# KiCad board V1.1_version_control_final.kicad_pcb (continued)
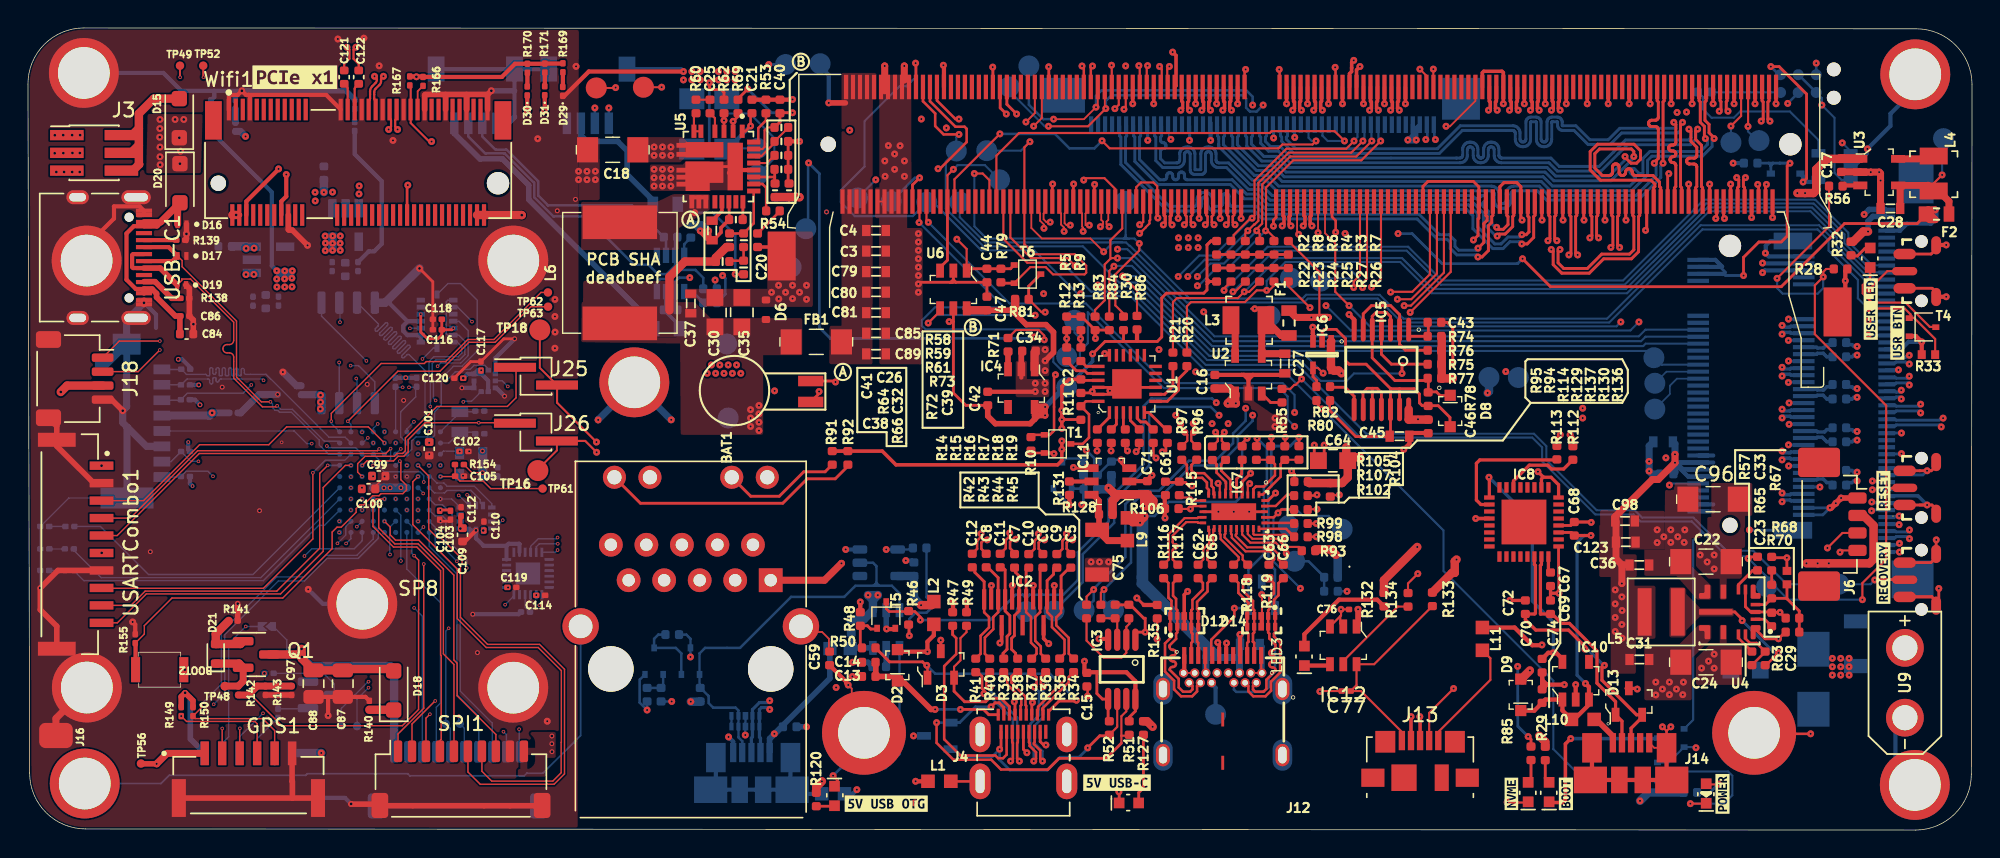
[diagram p0: board, top side]
## Routing (per net, layer and track width the routed paths; a pad name or vN(x,y) marks a point on that pad's centre or on a via; arc(x,y) is an arc through that point) (continued)
VCC_24V: length 4.5
  Top w0.5: Q1.2 15.39,10.65 R142.1 14.09,10.31
  Top w0.6: Q1.2 15.09,11.92 D21.1 ; 14.09,10.31 TP48.1
VDD_MOD: length 4
  Top w0.4: v1(57.26,52.04) 58.45,52.04
  Bottom w0.3: v1(57.26,52.04) 57.26,54.04 56.68,54.62
VIN: length 88.3
  Top w0.4: 17.34,12.58 17.5,12.58 17.52,12.57
  Top w0.6: v2(19.57,12.97) 19.57,12.63 ; 19.57,12.63 19.5,12.57 Q1.3 ; 19.57,12.63 19.57,12.35 ; D18.2 26.02,11.52 22.6,11.52 C87.1 C88.1 19.58,12.27 v2(19.58,12.39)
  In1.Cu w0.6: v2(19.57,12.97) 19.58,12.95 v2(19.58,12.39) 20.23,11.74 30.24,11.74 32.75,14.25 32.75,17.6 38.46,23.31 38.46,36.49 38.48,36.51 38.48,37.05 38.46,37.07 38.46,37.64 38.8,37.98 44.84,37.98 46.72,39.86 46.72,50.44 v1(49.97,53.69)
  Bottom w0.6: DSHOT1.10 26.18,5.62 26.18,11.45 25.89,11.74 20.23,11.74 v2(19.58,12.39)
  vias: v1(48.57,32.69) v1(48.87,33.29) v1(49.17,32.69) v1(49.37,54.29) v1(49.37,53.69) v1(49.47,33.29) v1(49.77,32.69) v1(49.97,54.29) v1(50.07,33.29) v1(50.37,32.69) v1(50.57,54.29) v1(50.57,53.69) v1(50.67,33.29) v1(50.97,32.69) v1(129.02,12.29) v1(129.02,11.69) v1(129.02,11.09) v1(129.62,12.29) v1(129.62,11.69) v1(129.62,11.09) v1(130.22,12.29) v1(130.22,11.69) v1(130.22,11.09)
#PWR_BUTTON: length 4.6
  Top w0.2: M1.240 63.25,46.18 v1(63.75,46.68)
  Bottom w0.18: TP13.1 63.41,46.68 v1(63.75,46.68)
#RECOVERY: length 78
  Top w0.15: M1.214 69.75,42.31 71.45,40.61 73.95,40.61 v1(74.17,40.39)
  Top w0.2: 134.19,17.93 132.08,17.93 v1(132.06,17.9)
  Bottom w0.15: 74.25,40.31 76.02,38.54 78.97,38.54 84.22,33.29 90.77,33.29 95.69,28.37 107.68,28.37 108.57,27.48 108.57,26.49 112.17,22.89 114.89,22.89 115.41,22.37 119.08,22.37 121.46,19.99 123.36,19.99 125.76,17.6 TP21.1 131.75,17.6 v1(132.06,17.9)
#RESET: length 168.6
  Top w0.15: v1(91.07,32.29) 90.64,31.86 90.55,31.86 90.26,31.57 R55.2 ; R71.2 70.65,35.79 72.27,35.79 72.67,35.39 v1(72.67,35.09) ; RST1.2 133.27,24.49 132.87,24.09 132.87,23.89 ; v1(125.07,39.49) 128.78,43.2 R56.2 ; 132.87,23.89 132.87,30.39 127.77,35.49 127.77,38.99 v1(128.37,39.59) 128.37,39.95 128.58,40.16 129.12,40.16 ; 132.87,23.89 132.87,19.38 131.17,17.68 v1(131.17,16.49)
  Top w0.2: v1(123,19.44) 122.95,19.55 123.58,19.55 ; M1.239 63.5,54.86 v1(63.47,54.89)
  In3_SIGNAL.Cu w0.15: v1(72.67,35.09) 75.27,37.69 v1(75.27,38.39)
  Bottom w0.15: 119.62,21.29 119.77,21.29 119.79,21.26 ; 119.62,21.29 119.54,21.21 ; 119.62,21.29 119.62,21.44 ; 64.72,44.94 TP10.1 63.27,43.94 59.12,43.94 58.12,44.94 58.12,45.79 59.82,47.49 59.82,50.74 62.32,53.24 62.82,53.24 63.47,53.89 v1(63.47,54.89) ; 64.72,44.94 64.67,44.99 ; 64.72,44.94 68.17,41.49 71.95,41.49 75.05,38.39 v1(75.27,38.39) 75.44,38.22 78.84,38.22 84.12,32.94 90.42,32.94 v1(91.07,32.29) 95.27,28.09 107.57,28.09 108.27,27.39 108.27,26.39 112.07,22.59 114.8,22.59 115.3,22.09 118.97,22.09 119.62,21.44 ; 119.54,21.21 119.07,20.74 119.07,7.89 T2.1 ; 119.54,21.21 119.69,21.36 ; v1(125.07,39.49) 125.07,38.79 125.47,38.39 127.97,38.39 128.37,38.79 v1(128.37,39.59) ; v1(131.17,16.49) 125.87,16.49 124.94,17.42 TP20.1 124.32,18.14 122.97,19.49 v1(123,19.44) 122.78,19.59 121.47,19.59 119.79,21.26 ; 119.79,21.26 119.69,21.36 ; 119.62,21.44 119.69,21.36
#SHUTDOWN_REQ: length 66
  Top w0.18: M1.233 65,52.21 66.32,50.89 v1(66.57,50.89)
  Top w0.2: 98.25,33.35 100.13,33.35 ; 98.25,33.35 97.48,33.35 96.78,34.05 IC5.4 ; 98.25,33.35 v1(98.25,32.68)
  In2.Cu w0.15: 70.17,45.99 70.17,45.79 ; 70.17,45.99 70.14,45.96 70.04,45.96 ; 70.17,45.99 70.17,46.14 ; 70.17,45.79 70.17,45.82 70.04,45.96 ; 70.17,45.79 70.17,40.89 72.62,38.44 v1(72.62,38.39) ; 70.17,46.14 70.17,47.69 66.97,50.89 v1(66.57,50.89) ; 70.17,46.14 70.17,46.09 70.04,45.96 ; 70.04,45.96 61.2,45.96 v1(60.62,46.54)
  In3_SIGNAL.Cu w0.15: v1(76.51,39.01) 74.84,39.01 73.54,37.71 73.3,37.71 v1(72.62,38.39)
  Bottom w0.15: v1(76.51,39.01) 76.63,38.89 79.07,38.89 84.32,33.64 90.94,33.64 92.43,32.15 94.29,32.15 94.82,32.68 v1(98.25,32.68) ; v1(60.62,46.54) TP11.1
/CSI/CAM0_SCL: length 35.4
  Top w0.15: 87.04,42.15 87.04,42.71 v1(87.23,42.89) 87.23,42.9 87.68,43.34 87.71,43.34 87.98,43.61 87.98,46.32 90.14,48.49 94.62,48.49 95.46,49.32 v1(95.46,49.32) ; v1(77.44,27.14) 77.46,27.16 77.46,27.71
  In5_3V3_SYS_SIGNAL.Cu w0.15: v1(77.44,27.14) 77.44,28.02 78.57,29.14 78.57,35.17 82.93,39.54 v1(82.93,39.62)
  Bottom w0.15: v1(87.23,42.89) 85.16,40.82 84.14,40.82 v1(82.93,39.62) ; 95.56,50.4 95.56,49.45 95.46,49.35
/CSI/CAM0_SDA: length 37
  Top w0.15: v1(94.82,49.32) 94.26,48.76 89.98,48.76 87.7,46.48 87.7,43.97 v1(87.53,43.79) 87.42,43.79 86.21,42.59 86.21,42.35 86.02,42.15 ; v1(76.44,27.14) 76.46,27.16 76.46,27.71
  In5_3V3_SYS_SIGNAL.Cu w0.15: v1(82.25,39.62) 82.25,39.41 78.11,35.27 78.11,29.29 76.44,27.63 v1(76.44,27.14)
  Bottom w0.15: v1(87.53,43.79) 87.49,43.79 84.81,41.12 83.75,41.12 v1(82.25,39.62) ; 94.82,49.35 94.82,49.36 95.06,49.6 95.06,50.4
/CSI/CAM1_SCL: length 35.8
  Top w0.15: 89.1,42.15 89.1,42.42 88.62,42.89 v1(88.5,42.89) 88.53,42.92 88.53,45.99 90.47,47.94 95.34,47.94 96.73,49.32 v1(96.73,49.32) ; 79.46,27.71 79.46,27.31 v1(79.24,27.08)
  In5_3V3_SYS_SIGNAL.Cu w0.15: v1(83.62,38.96) 79.68,35.02 79.68,28.8 79.24,28.36 v1(79.24,27.08)
  Bottom w0.15: v1(88.5,42.89) 88.5,42.89 85.88,40.27 85.02,40.27 83.7,38.96 v1(83.62,38.96) ; 96.71,49.31 96.56,49.46 96.56,50.4
/CSI/CAM1_SDA: length 35.3
  Top w0.15: 88.07,42.15 88.07,42.68 87.86,42.89 v1(87.86,42.89) 87.86,43.02 88.25,43.41 88.25,46.21 90.26,48.21 94.98,48.21 96.09,49.32 v1(96.09,49.32) ; v1(78.62,27.14) 78.46,27.29 78.46,27.71
  In5_3V3_SYS_SIGNAL.Cu w0.15: v1(78.62,27.14) 78.62,28.37 79.27,29.02 79.27,35.27 v1(83.62,39.62)
  Bottom w0.15: v1(87.86,42.89) 87.86,42.89 85.52,40.55 84.55,40.55 83.62,39.62 v1(83.62,39.62) ; 96.06,50.4 96.06,49.35 96.09,49.32
/CSI/CAM2_SCL: length 69.3
  Top w0.15: v1(85.53,38.63) 85.53,38.77 86.02,39.26
  Top w0.2: v1(81.11,27.07) 81.3,27.07 81.37,27.14 81.37,27.71
  In5_3V3_SYS_SIGNAL.Cu w0.15: v1(81.11,27.07) 81.22,27.19 81.22,32.89 85.53,37.2 v1(85.53,38.63)
  Bottom w0.15: v1(85.53,38.63) 88.64,41.75 98.69,41.75 101.1,39.34 114.06,39.34 119.13,44.41 119.84,45.12 127.8,45.12 130.16,42.75 130.16,42.11 131.86,40.42 132.77,40.42
/CSI/CAM2_SDA: length 70.9
  Top w0.15: 87.05,39.26 86.31,38.53 v1(86.16,38.53)
  Top w0.2: v1(80.66,26.63) 80.46,26.83 80.46,27.71
  In5_3V3_SYS_SIGNAL.Cu w0.15: v1(86.16,38.53) 86.16,37.33 81.62,32.79 81.62,26.64 81.42,26.44 80.85,26.44 v1(80.66,26.63)
  Bottom w0.15: 132.77,39.92 131.97,39.92 129.89,42 129.89,42.64 127.69,44.84 119.98,44.84 119.91,44.76 119.91,44.76 114.18,39.03 101.02,39.03 98.58,41.47 89.11,41.47 v1(86.16,38.53)
/CSI/CAM3_SCL: length 63.1
  Top w0.15: 88.07,39.26 87.33,38.53 v1(86.97,38.53) 86.52,38.08 82.16,38.08 81.87,37.79 R21.1
  Bottom w0.15: 132.77,39.42 132.08,39.42 129.61,41.89 129.61,42.53 127.57,44.57 120.1,44.57 114.26,38.73 100.46,38.73 98.25,40.94 89.39,40.94 v1(86.97,38.53)
/CSI/CAM3_SDA: length 62.5
  Top w0.15: 89.1,39.26 89.1,38.97 88.75,38.63 v1(88.57,38.63) 87.86,38.63 87.03,37.79 83.17,37.79 82.87,37.49 R20.1
  Bottom w0.15: v1(88.57,38.63) 88.57,39.31 89.92,40.66 98.12,40.66 100.36,38.42 114.35,38.42 120.21,44.29 127.46,44.29 129.34,42.41 129.34,41.77 132.21,38.9 J2.39 ; 132.77,38.92 132.21,38.92
/CSI/CAM_I2C_SCL: length 22.9
  Top w0.2: v1(70.69,51.25) 70,51.95 70,53.18 ; R9.2 75.29,35.2 v1(75.26,35.17) 75.29,35.15 R13.2
  In2.Cu w0.15: v1(70.69,51.25) 70.89,51.05 70.89,41.47 73.57,38.79 73.57,36.87 v1(75.26,35.17)
  Bottom w0.15: v1(75.26,35.17) 74.83,35.6 74.83,36.48
/CSI/CAM_I2C_SDA: length 22.5
  Top w0.2: 69.5,53.18 69.52,53.16 69.52,51.69 v1(69.95,51.25) ; R12.2 v1(74.27,35.17) R5.2
  In2.Cu w0.15: v1(74.27,35.17) 73.17,36.28 73.17,38.69 70.51,41.35 70.51,50.69 v1(69.95,51.25)
  Bottom w0.15: v1(74.27,35.17) 74.27,33.89 TP6.1
/CSI/CSI_A_CLK_N: length 43.3
  Top w0.21: M1.10 122.75,45.97 122.66,46.06 122.66,46.55 v1(122.81,46.7)
  In3_SIGNAL.Cu w0.138: 134.4,33.36 134.22,33.54 133.96,33.54 133.41,34.09 133.41,42.51 132.59,43.32 130.2,43.32 130.11,43.33 130.03,43.36 129.96,43.4 129.9,43.46 129.86,43.54 129.83,43.62 129.82,43.7 129.82,43.86 129.82,43.89 129.81,43.92 129.79,43.95 129.77,43.97 129.74,43.99 129.71,44 129.68,44 129.65,44 129.62,43.99 129.6,43.97 129.57,43.95 129.56,43.92 129.55,43.89 129.54,43.86 129.54,42.62 129.53,42.54 129.51,42.46 129.46,42.38 129.4,42.32 129.33,42.28 129.25,42.25 129.17,42.24 129.12,42.24 129.04,42.25 128.96,42.28 128.88,42.32 128.82,42.38 128.78,42.46 128.75,42.54 128.74,42.62 128.74,43.86 128.74,43.89 128.73,43.92 128.71,43.95 128.69,43.97 128.66,43.99 128.63,44 128.6,44 128.57,44 128.54,43.99 128.52,43.97 128.5,43.95 128.48,43.92 128.47,43.89 128.47,43.86 128.47,42.62 128.46,42.54 128.43,42.46 128.38,42.38 128.32,42.32 128.25,42.28 128.17,42.25 128.09,42.24 128.04,42.24 127.96,42.25 127.88,42.28 127.81,42.32 127.75,42.38 127.7,42.46 127.67,42.54 127.66,42.62 127.66,44.06 127.66,44.09 127.65,44.12 127.63,44.15 127.61,44.17 127.59,44.19 127.56,44.2 127.53,44.2 127.5,44.2 127.47,44.19 127.44,44.17 127.42,44.15 127.4,44.12 127.39,44.09 127.39,44.06 127.39,42.62 127.38,42.54 127.35,42.46 127.31,42.38 127.25,42.32 127.17,42.28 127.09,42.25 127.01,42.24 126.96,42.24 126.88,42.25 126.8,42.28 126.73,42.32 126.67,42.38 126.62,42.46 126.6,42.54 126.59,42.62 126.59,43.18 126.58,43.21 126.57,43.24 126.56,43.27 126.53,43.29 126.51,43.31 126.48,43.32 126.45,43.32 126.24,43.12 126.24,42.87 126.04,42.67 126.03,42.64 126.01,42.62 126.01,42.59 126.01,42.56 126.01,42.53 126.03,42.5 126.04,42.47 126.1,42.42 126.12,42.4 126.13,42.37 126.14,42.34 126.14,42.31 126.13,42.28 126.12,42.25 126.1,42.22 126.07,42.21 126.05,42.19 126.02,42.18 125.99,42.18 125.96,42.19 125.93,42.21 125.9,42.22 125.85,42.28 125.83,42.3 125.8,42.31 125.77,42.32 125.74,42.32 125.71,42.31 125.68,42.3 125.65,42.28 125.26,42.28 124.83,42.71 124.83,43.21 125.39,43.78 125.39,45.36 125.8,45.77 125.8,46.88 125.21,47.47 124.42,47.47 124.33,47.48 124.24,47.51 124.17,47.55 124.1,47.62 124.05,47.7 124.02,47.78 124.01,47.87 124.01,48.5 124.01,48.54 124,48.57 123.98,48.6 123.95,48.63 123.92,48.65 123.88,48.66 123.85,48.67 123.81,48.66 123.77,48.65 123.74,48.63 123.71,48.6 123.69,48.57 123.68,48.54 123.68,48.5 123.68,47.87 123.67,47.78 123.64,47.7 123.59,47.62 123.52,47.55 123.45,47.51 123.36,47.48 123.27,47.47 122.96,47.47 122.63,47.13 122.63,46.88 v1(122.81,46.7)
  Bottom w0.21: 132.77,33.42 133.5,33.42 133.59,33.5 134.26,33.5 134.4,33.36
  vias: v1(134.52,33.36)
/CSI/CSI_A_CLK_P: length 43.3
  Top w0.21: M1.12 122.25,45.97 122.33,46.06 122.33,46.55 v1(122.18,46.7)
  In3_SIGNAL.Cu w0.138: 134.4,33.98 134.22,33.8 134.07,33.8 133.67,34.2 133.67,42.62 132.7,43.58 130.22,43.58 130.19,43.59 130.16,43.6 130.14,43.61 130.11,43.64 130.1,43.66 130.09,43.69 130.08,43.72 130.08,43.89 130.07,43.97 130.05,44.05 130,44.12 129.94,44.18 129.87,44.23 129.79,44.25 129.71,44.26 129.66,44.26 129.57,44.25 129.49,44.23 129.42,44.18 129.36,44.12 129.32,44.05 129.29,43.97 129.28,43.89 129.28,42.64 129.28,42.61 129.27,42.58 129.25,42.56 129.23,42.54 129.2,42.52 129.17,42.51 129.14,42.51 129.11,42.51 129.08,42.52 129.06,42.54 129.04,42.56 129.02,42.58 129.01,42.61 129.01,42.64 129.01,43.89 129,43.97 128.97,44.05 128.92,44.12 128.86,44.18 128.79,44.23 128.71,44.25 128.63,44.26 128.58,44.26 128.5,44.25 128.42,44.23 128.35,44.18 128.29,44.12 128.24,44.05 128.21,43.97 128.2,43.89 128.2,42.64 128.2,42.61 128.19,42.58 128.17,42.56 128.15,42.54 128.12,42.52 128.1,42.51 128.07,42.51 128.03,42.51 128.01,42.52 127.98,42.54 127.96,42.56 127.94,42.58 127.93,42.61 127.93,42.64 127.93,44.09 127.92,44.17 127.89,44.25 127.84,44.32 127.78,44.38 127.71,44.43 127.63,44.45 127.55,44.46 127.5,44.46 127.42,44.45 127.34,44.43 127.27,44.38 127.21,44.32 127.16,44.25 127.13,44.17 127.13,44.09 127.13,42.64 127.12,42.61 127.11,42.58 127.09,42.56 127.07,42.54 127.05,42.52 127.02,42.51 126.99,42.51 126.96,42.51 126.93,42.52 126.9,42.54 126.88,42.56 126.86,42.58 126.85,42.61 126.85,42.64 126.85,43.21 126.84,43.29 126.81,43.37 126.77,43.44 126.71,43.5 126.64,43.55 126.56,43.58 126.47,43.58 126.34,43.58 125.98,43.22 125.98,42.97 125.55,42.54 125.36,42.54 125.09,42.81 125.09,43.11 125.66,43.67 125.66,45.25 126.06,45.66 126.06,46.99 125.32,47.73 124.45,47.73 124.41,47.73 124.37,47.74 124.34,47.76 124.31,47.79 124.29,47.82 124.28,47.86 124.28,47.9 124.28,48.52 124.27,48.61 124.24,48.7 124.19,48.78 124.12,48.84 124.05,48.89 123.96,48.92 123.87,48.93 123.82,48.93 123.73,48.92 123.64,48.89 123.57,48.84 123.5,48.78 123.45,48.7 123.42,48.61 123.41,48.52 123.41,47.9 123.41,47.86 123.4,47.82 123.38,47.79 123.35,47.76 123.32,47.74 123.28,47.73 123.25,47.73 122.85,47.73 122.37,47.24 122.37,46.88 v1(122.18,46.7)
  Bottom w0.21: 132.77,33.92 133.5,33.92 133.59,33.84 134.26,33.84 134.4,33.98
  vias: v1(134.52,33.98)
/CSI/CSI_A_D0_N: length 43.5
  Top w0.21: M1.4 124.25,46.15 v1(124.31,46.21)
  In3_SIGNAL.Cu w0.138: v1(134.52,31.86) 134.34,32.04 133.43,32.04 132.77,32.7 132.77,38.7 132.76,38.72 132.76,38.74 132.75,38.75 132.73,38.77 132.71,38.78 132.69,38.79 132.67,38.79 132.52,38.79 132.45,38.8 132.37,38.82 132.31,38.86 132.26,38.92 132.22,38.98 132.19,39.05 132.19,39.12 132.19,39.32 132.19,39.39 132.22,39.46 132.26,39.53 132.31,39.58 132.37,39.62 132.45,39.64 132.52,39.65 132.67,39.65 132.69,39.65 132.71,39.66 132.73,39.67 132.75,39.69 132.76,39.71 132.76,39.72 132.77,39.75 132.77,40.5 132.18,41.09 132.07,41.09 131.99,41.1 131.91,41.13 131.84,41.17 131.78,41.23 131.73,41.3 131.7,41.38 131.7,41.47 131.7,41.98 131.69,42.02 131.68,42.04 131.66,42.07 131.64,42.09 131.62,42.11 131.59,42.12 131.56,42.12 131.53,42.12 131.5,42.11 131.47,42.09 131.45,42.07 131.43,42.04 131.42,42.02 131.42,41.98 131.42,40.34 131.41,40.25 131.38,40.17 131.34,40.1 131.28,40.04 131.21,40 131.13,39.97 131.04,39.96 130.99,39.96 130.91,39.97 130.83,40 130.76,40.04 130.7,40.1 130.65,40.17 130.63,40.25 130.62,40.34 130.62,42.08 130.61,42.12 130.6,42.14 130.59,42.17 130.57,42.19 130.54,42.21 130.51,42.22 130.48,42.22 130.45,42.22 130.42,42.21 130.39,42.19 130.37,42.17 130.35,42.14 130.34,42.12 130.34,42.08 130.34,40.34 130.33,40.25 130.3,40.17 130.26,40.1 130.2,40.04 130.13,40 130.05,39.97 129.96,39.96 129.92,39.96 129.83,39.97 129.75,40 129.68,40.04 129.62,40.1 129.58,40.17 129.55,40.25 129.54,40.34 129.54,41.58 129.54,41.6 129.53,41.62 129.52,41.64 129.5,41.65 129.49,41.66 129.47,41.67 129.45,41.67 129.36,41.67 129.34,41.67 129.32,41.66 129.3,41.65 129.28,41.64 129.27,41.62 129.27,41.6 129.26,41.58 129.26,40.34 129.25,40.25 129.23,40.17 129.18,40.1 129.12,40.04 129.05,40 128.97,39.97 128.89,39.96 128.84,39.96 128.75,39.97 128.67,40 128.6,40.04 128.54,40.1 128.5,40.17 128.47,40.25 128.46,40.34 128.46,41.58 128.46,41.6 128.45,41.62 128.44,41.64 128.43,41.65 128.41,41.66 128.39,41.67 128.37,41.67 128.28,41.67 128.26,41.67 128.24,41.66 128.22,41.65 128.21,41.64 128.19,41.62 128.19,41.6 128.19,41.58 128.19,40.34 128.18,40.25 128.15,40.17 128.1,40.1 128.04,40.04 127.97,40 127.89,39.97 127.81,39.96 127.76,39.96 127.68,39.97 127.6,40 127.53,40.04 127.47,40.1 127.42,40.17 127.39,40.25 127.38,40.34 127.38,40.95 127.38,40.98 127.37,41.01 127.35,41.04 127.33,41.06 127.3,41.08 127.28,41.09 127.25,41.09 126.77,41.09 126.74,41.09 126.7,41.08 126.68,41.06 126.65,41.03 126.63,41.01 126.62,40.97 126.62,40.94 126.62,40.9 126.62,40.87 126.6,40.84 126.59,40.81 126.56,40.79 126.53,40.77 126.5,40.76 126.47,40.75 126.44,40.76 126.4,40.77 126.38,40.79 126.35,40.81 126.33,40.84 126.32,40.87 126.32,40.9 126.32,40.94 126.32,40.97 126.3,41.01 126.29,41.03 126.26,41.06 126.23,41.08 126.2,41.09 126.17,41.09 125.24,41.09 123.85,42.49 123.85,44.56 125.08,45.79 125.08,46.35 124.85,46.57 124.2,46.57 124.13,46.5 124.13,46.39 v1(124.31,46.21)
  Bottom w0.21: 132.77,31.92 133.5,31.92 133.59,32 134.38,32 v1(134.52,31.86)
/CSI/CSI_A_D0_P: length 43.6
  Top w0.21: M1.6 123.75,46.15 v1(123.68,46.21)
  In3_SIGNAL.Cu w0.138: v1(134.52,32.48) 134.34,32.3 133.54,32.3 133.03,32.81 133.03,38.72 133.02,38.79 133,38.86 132.96,38.93 132.9,38.98 132.84,39.02 132.77,39.04 132.69,39.05 132.54,39.05 132.52,39.05 132.5,39.06 132.48,39.07 132.47,39.09 132.46,39.11 132.45,39.12 132.45,39.15 132.45,39.3 132.45,39.32 132.46,39.34 132.47,39.35 132.48,39.37 132.5,39.38 132.52,39.39 132.54,39.39 132.69,39.39 132.77,39.4 132.84,39.42 132.9,39.46 132.96,39.52 133,39.58 133.02,39.65 133.03,39.72 133.03,40.61 132.29,41.35 132.1,41.35 132.07,41.36 132.04,41.37 132.01,41.38 131.99,41.41 131.97,41.43 131.96,41.46 131.96,41.49 131.96,42.01 131.95,42.09 131.92,42.17 131.88,42.24 131.82,42.3 131.74,42.35 131.66,42.38 131.58,42.39 131.53,42.39 131.45,42.38 131.37,42.35 131.3,42.3 131.24,42.24 131.19,42.17 131.17,42.09 131.16,42.01 131.16,40.36 131.15,40.33 131.14,40.3 131.13,40.27 131.1,40.25 131.08,40.24 131.05,40.23 131.02,40.22 130.99,40.23 130.96,40.24 130.93,40.25 130.91,40.27 130.89,40.3 130.88,40.33 130.88,40.36 130.88,42.11 130.87,42.19 130.84,42.27 130.8,42.34 130.74,42.4 130.67,42.45 130.59,42.48 130.5,42.49 130.46,42.49 130.37,42.48 130.29,42.45 130.22,42.4 130.16,42.34 130.12,42.27 130.09,42.19 130.08,42.11 130.08,40.36 130.07,40.33 130.06,40.3 130.05,40.27 130.03,40.25 130,40.24 129.97,40.23 129.94,40.22 129.91,40.23 129.88,40.24 129.85,40.25 129.83,40.27 129.82,40.3 129.81,40.33 129.8,40.36 129.8,41.6 129.79,41.67 129.77,41.75 129.73,41.81 129.68,41.86 129.61,41.9 129.54,41.93 129.47,41.94 129.34,41.94 129.26,41.93 129.19,41.9 129.13,41.86 129.07,41.81 129.03,41.75 129.01,41.67 129,41.6 129,40.36 129,40.33 128.99,40.3 128.97,40.27 128.95,40.25 128.92,40.24 128.89,40.23 128.86,40.22 128.83,40.23 128.8,40.24 128.78,40.25 128.75,40.27 128.74,40.3 128.73,40.33 128.72,40.36 128.72,41.6 128.72,41.67 128.69,41.75 128.65,41.81 128.6,41.86 128.53,41.9 128.46,41.93 128.39,41.94 128.26,41.94 128.18,41.93 128.11,41.9 128.05,41.86 128,41.81 127.96,41.75 127.93,41.67 127.92,41.6 127.92,40.36 127.92,40.33 127.91,40.3 127.89,40.27 127.87,40.25 127.84,40.24 127.81,40.23 127.78,40.22 127.75,40.23 127.72,40.24 127.7,40.25 127.68,40.27 127.66,40.3 127.65,40.33 127.65,40.36 127.65,40.98 127.64,41.06 127.61,41.14 127.56,41.21 127.5,41.27 127.43,41.32 127.35,41.34 127.27,41.35 125.35,41.35 124.11,42.59 124.11,44.45 125.34,45.68 125.34,46.46 124.96,46.84 124.09,46.84 123.87,46.61 123.87,46.39 v1(123.68,46.21)
  Bottom w0.21: v1(134.52,32.48) 134.38,32.34 133.59,32.34 133.5,32.42 132.77,32.42
/CSI/CSI_A_D1_N: length 43.4
  Top w0.21: v1(121.31,43.77) 121.25,43.83 M1.16
  In3_SIGNAL.Cu w0.138: v1(121.31,43.77) 121.13,43.95 121.13,44.21 121.37,44.45 122.07,44.45 122.35,44.16 122.35,43.17 123.12,42.4 123.12,38.76 123.92,37.95 124.71,37.95 124.74,37.95 124.77,37.94 124.79,37.92 124.82,37.9 124.83,37.87 124.84,37.84 124.85,37.81 124.85,37.41 124.85,37.33 124.88,37.25 124.93,37.18 124.99,37.12 125.06,37.07 125.14,37.04 125.22,37.03 125.27,37.03 125.35,37.04 125.43,37.07 125.51,37.12 125.57,37.18 125.61,37.25 125.64,37.33 125.65,37.41 125.65,38.73 125.65,38.76 125.66,38.79 125.68,38.82 125.7,38.84 125.73,38.85 125.75,38.86 125.79,38.87 125.82,38.86 125.85,38.85 125.87,38.84 125.89,38.82 125.91,38.79 125.92,38.76 125.92,38.73 125.92,37.41 125.93,37.33 125.96,37.25 126.01,37.18 126.07,37.12 126.14,37.07 126.22,37.04 126.3,37.03 126.35,37.03 126.43,37.04 126.51,37.07 126.58,37.12 126.64,37.18 126.69,37.25 126.72,37.33 126.73,37.41 126.73,38.73 126.73,38.76 126.74,38.79 126.76,38.82 126.78,38.84 126.8,38.85 126.83,38.86 126.86,38.87 126.89,38.86 126.92,38.85 126.95,38.84 126.97,38.82 126.99,38.79 127,38.76 127,38.73 127,37.41 127.01,37.33 127.04,37.25 127.08,37.18 127.14,37.12 127.22,37.07 127.3,37.04 127.38,37.03 127.43,37.03 127.51,37.04 127.59,37.07 127.66,37.12 127.72,37.18 127.77,37.25 127.79,37.33 127.8,37.41 127.8,38.73 127.81,38.76 127.82,38.79 127.83,38.82 127.86,38.84 127.88,38.85 127.91,38.86 127.94,38.87 127.97,38.86 128,38.85 128.03,38.84 128.05,38.82 128.07,38.79 128.08,38.76 128.08,38.73 128.08,37.41 128.09,37.33 128.12,37.25 128.16,37.18 128.22,37.12 128.29,37.07 128.37,37.04 128.46,37.03 128.5,37.03 128.59,37.04 128.67,37.07 128.74,37.12 128.8,37.18 128.84,37.25 128.87,37.33 128.88,37.41 128.88,38.73 128.88,38.76 128.9,38.79 128.91,38.82 128.93,38.84 128.96,38.85 128.99,38.86 129.02,38.87 129.05,38.86 129.08,38.85 129.11,38.84 129.13,38.82 129.14,38.79 129.15,38.76 129.16,38.73 129.16,37.41 129.17,37.33 129.19,37.25 129.24,37.18 129.3,37.12 129.37,37.07 129.45,37.04 129.54,37.03 129.58,37.03 129.67,37.04 129.75,37.07 129.82,37.12 129.88,37.18 129.92,37.25 129.95,37.33 129.96,37.41 ; v1(133.95,30.86) 133.77,31.04 132.9,31.04 132.73,31.2 132.71,31.22 132.68,31.24 132.65,31.24 132.62,31.24 132.59,31.24 132.56,31.22 132.54,31.2 132.5,31.16 132.47,31.14 132.44,31.13 132.41,31.12 132.38,31.12 132.35,31.13 132.32,31.14 132.3,31.16 132.28,31.18 132.27,31.21 132.26,31.24 132.26,31.27 132.27,31.3 132.28,31.33 132.3,31.36 132.34,31.4 132.36,31.42 132.38,31.45 132.38,31.48 132.38,31.51 132.38,31.54 132.36,31.57 132.34,31.59 132.11,31.82 132.11,37.5 131.66,37.95 130.61,37.95 130.53,37.96 130.45,37.99 130.38,38.03 130.32,38.09 130.27,38.16 130.25,38.24 130.24,38.33 130.24,38.48 130.23,38.51 130.22,38.54 130.21,38.57 130.19,38.59 130.16,38.6 130.13,38.61 130.1,38.62 130.1,38.62 130.07,38.61 130.04,38.6 130.01,38.59 129.99,38.57 129.97,38.54 129.96,38.51 129.96,38.48 129.96,37.41
  Bottom w0.21: 132.77,30.92 133.5,30.92 133.59,31 133.81,31 v1(133.95,30.86)
/CSI/CSI_A_D1_P: length 43.4
  Top w0.21: v1(120.68,43.77) 120.75,43.83 M1.18
  In3_SIGNAL.Cu w0.138: v1(120.68,43.77) 120.87,43.95 120.87,44.32 121.26,44.71 122.18,44.71 122.61,44.27 122.61,43.28 123.38,42.51 123.38,38.87 124.03,38.21 124.73,38.21 124.81,38.2 124.89,38.18 124.97,38.13 125.03,38.07 125.07,38 125.1,37.92 125.11,37.84 125.11,37.43 125.11,37.4 125.12,37.38 125.14,37.35 125.16,37.33 125.19,37.31 125.22,37.3 125.25,37.3 125.28,37.3 125.31,37.31 125.33,37.33 125.35,37.35 125.37,37.38 125.38,37.4 125.38,37.43 125.38,38.75 125.39,38.84 125.42,38.92 125.47,38.99 125.53,39.05 125.6,39.09 125.68,39.12 125.76,39.13 125.81,39.13 125.89,39.12 125.97,39.09 126.04,39.05 126.1,38.99 126.15,38.92 126.18,38.84 126.19,38.75 126.19,37.43 126.19,37.4 126.2,37.38 126.22,37.35 126.24,37.33 126.26,37.31 126.29,37.3 126.32,37.3 126.36,37.3 126.38,37.31 126.41,37.33 126.43,37.35 126.45,37.38 126.46,37.4 126.46,37.43 126.46,38.75 126.47,38.84 126.5,38.92 126.54,38.99 126.6,39.05 126.68,39.09 126.76,39.12 126.84,39.13 126.89,39.13 126.97,39.12 127.05,39.09 127.12,39.05 127.18,38.99 127.23,38.92 127.25,38.84 127.26,38.75 127.26,37.43 127.27,37.4 127.28,37.38 127.29,37.35 127.32,37.33 127.34,37.31 127.37,37.3 127.4,37.3 127.43,37.3 127.46,37.31 127.49,37.33 127.51,37.35 127.53,37.38 127.54,37.4 127.54,37.43 127.54,38.75 127.55,38.84 127.58,38.92 127.62,38.99 127.68,39.05 127.75,39.09 127.83,39.12 127.92,39.13 127.96,39.13 128.05,39.12 128.13,39.09 128.2,39.05 128.26,38.99 128.31,38.92 128.33,38.84 128.34,38.75 128.34,37.43 128.35,37.4 128.36,37.38 128.37,37.35 128.39,37.33 128.42,37.31 128.45,37.3 128.48,37.3 128.51,37.3 128.54,37.31 128.57,37.33 128.59,37.35 128.6,37.38 128.61,37.4 128.62,37.43 128.62,38.75 128.63,38.84 128.66,38.92 128.7,38.99 128.76,39.05 128.83,39.09 128.91,39.12 129,39.13 129.04,39.13 129.13,39.12 129.21,39.09 129.28,39.05 129.34,38.99 129.38,38.92 129.41,38.84 129.42,38.75 129.42,37.43 129.42,37.4 129.43,37.38 129.45,37.35 129.47,37.33 129.5,37.31 129.53,37.3 129.56,37.3 129.59,37.3 129.62,37.31 129.64,37.33 129.67,37.35 129.68,37.38 129.69,37.4 129.7,37.43 129.7,38.5 129.71,38.59 129.74,38.67 129.78,38.74 129.84,38.8 129.91,38.84 129.99,38.87 130.07,38.88 130.12,38.88 130.21,38.87 130.29,38.84 130.36,38.8 130.42,38.74 130.46,38.67 130.49,38.59 130.5,38.5 130.5,38.35 130.5,38.32 130.51,38.29 130.53,38.26 130.55,38.24 130.58,38.23 130.61,38.22 130.64,38.21 131.77,38.21 132.38,37.61 132.38,31.93 133.01,31.3 133.77,31.3 v1(133.95,31.48)
  Bottom w0.21: v1(133.95,31.48) 133.81,31.34 133.59,31.34 133.5,31.42 132.77,31.42
/CSI/CSI_B_D0_N: length 43.4
  Top w0.21: v1(124.56,50.74) 124.41,50.88 124.41,52.11 124.5,52.2 M1.3
  In3_SIGNAL.Cu w0.138: v1(124.56,50.74) 124.38,50.92 124.38,51.2 124.43,51.25 126.37,51.25 127.56,50.06 127.56,49.35 127.55,49.31 127.54,49.28 127.52,49.24 127.49,49.22 127.46,49.2 127.42,49.18 127.38,49.18 127.36,49.18 127.32,49.17 127.29,49.16 127.25,49.14 127.23,49.11 127.21,49.08 127.19,49.04 127.19,49 127.19,48.96 127.21,48.93 127.23,48.89 127.25,48.87 127.29,48.85 127.32,48.83 127.36,48.83 127.38,48.83 127.42,48.82 127.46,48.81 127.49,48.79 127.52,48.76 127.54,48.73 127.55,48.69 127.56,48.65 127.56,45.02 127.98,44.59 128.04,44.56 132.61,44.56 134.07,43.1 134.07,41.35 134.08,41.26 134.11,41.18 134.16,41.1 134.22,41.04 134.3,40.99 134.38,40.96 134.48,40.95 135.38,40.95 135.42,40.94 135.45,40.93 135.49,40.91 135.51,40.88 135.53,40.85 135.55,40.82 135.55,40.78 135.55,40.74 135.53,40.71 135.51,40.67 135.49,40.65 135.45,40.63 135.42,40.61 135.38,40.61 134.48,40.61 134.38,40.6 134.3,40.57 134.22,40.52 134.16,40.46 134.11,40.38 134.08,40.29 134.07,40.2 134.07,40.15 134.08,40.06 134.11,39.98 134.16,39.9 134.22,39.84 134.3,39.79 134.38,39.76 134.48,39.75 135.38,39.75 135.42,39.74 135.45,39.73 135.49,39.71 135.51,39.68 135.53,39.65 135.55,39.62 135.55,39.58 135.55,39.54 135.53,39.51 135.51,39.47 135.49,39.45 135.45,39.43 135.42,39.41 135.38,39.41 134.48,39.41 134.38,39.4 134.3,39.37 134.22,39.32 134.16,39.26 134.11,39.18 134.08,39.09 134.07,39 134.07,36.93 134.08,36.84 134.11,36.75 134.16,36.67 134.22,36.61 134.3,36.56 134.38,36.53 134.48,36.52 135.08,36.52 135.12,36.52 135.15,36.5 135.18,36.48 135.21,36.46 135.23,36.42 135.24,36.39 135.25,36.35 135.24,36.31 135.23,36.28 135.21,36.25 135.18,36.22 135.15,36.2 135.12,36.19 135.08,36.18 134.48,36.18 134.38,36.17 134.3,36.14 134.22,36.09 134.16,36.03 134.11,35.95 134.08,35.87 134.07,35.78 134.07,34.97 134.61,34.43 134.71,34.43 135.14,33.99 135.14,31.64 134.56,31.05 134.56,30.41 134.92,30.04 135.15,30.04 v1(135.34,29.86)